# Altium PCB 3CHOE.PcbDoc (part 2 of 3)
Units mm, origin at the board's own origin, x right, y up, seen from the top; angles counter-clockwise.
Board outline 120.98 x 120.98 mm, 2 copper layers (Top Layer, Bottom Layer); 206 components, 141 nets, 709 pads, 2434 vias.
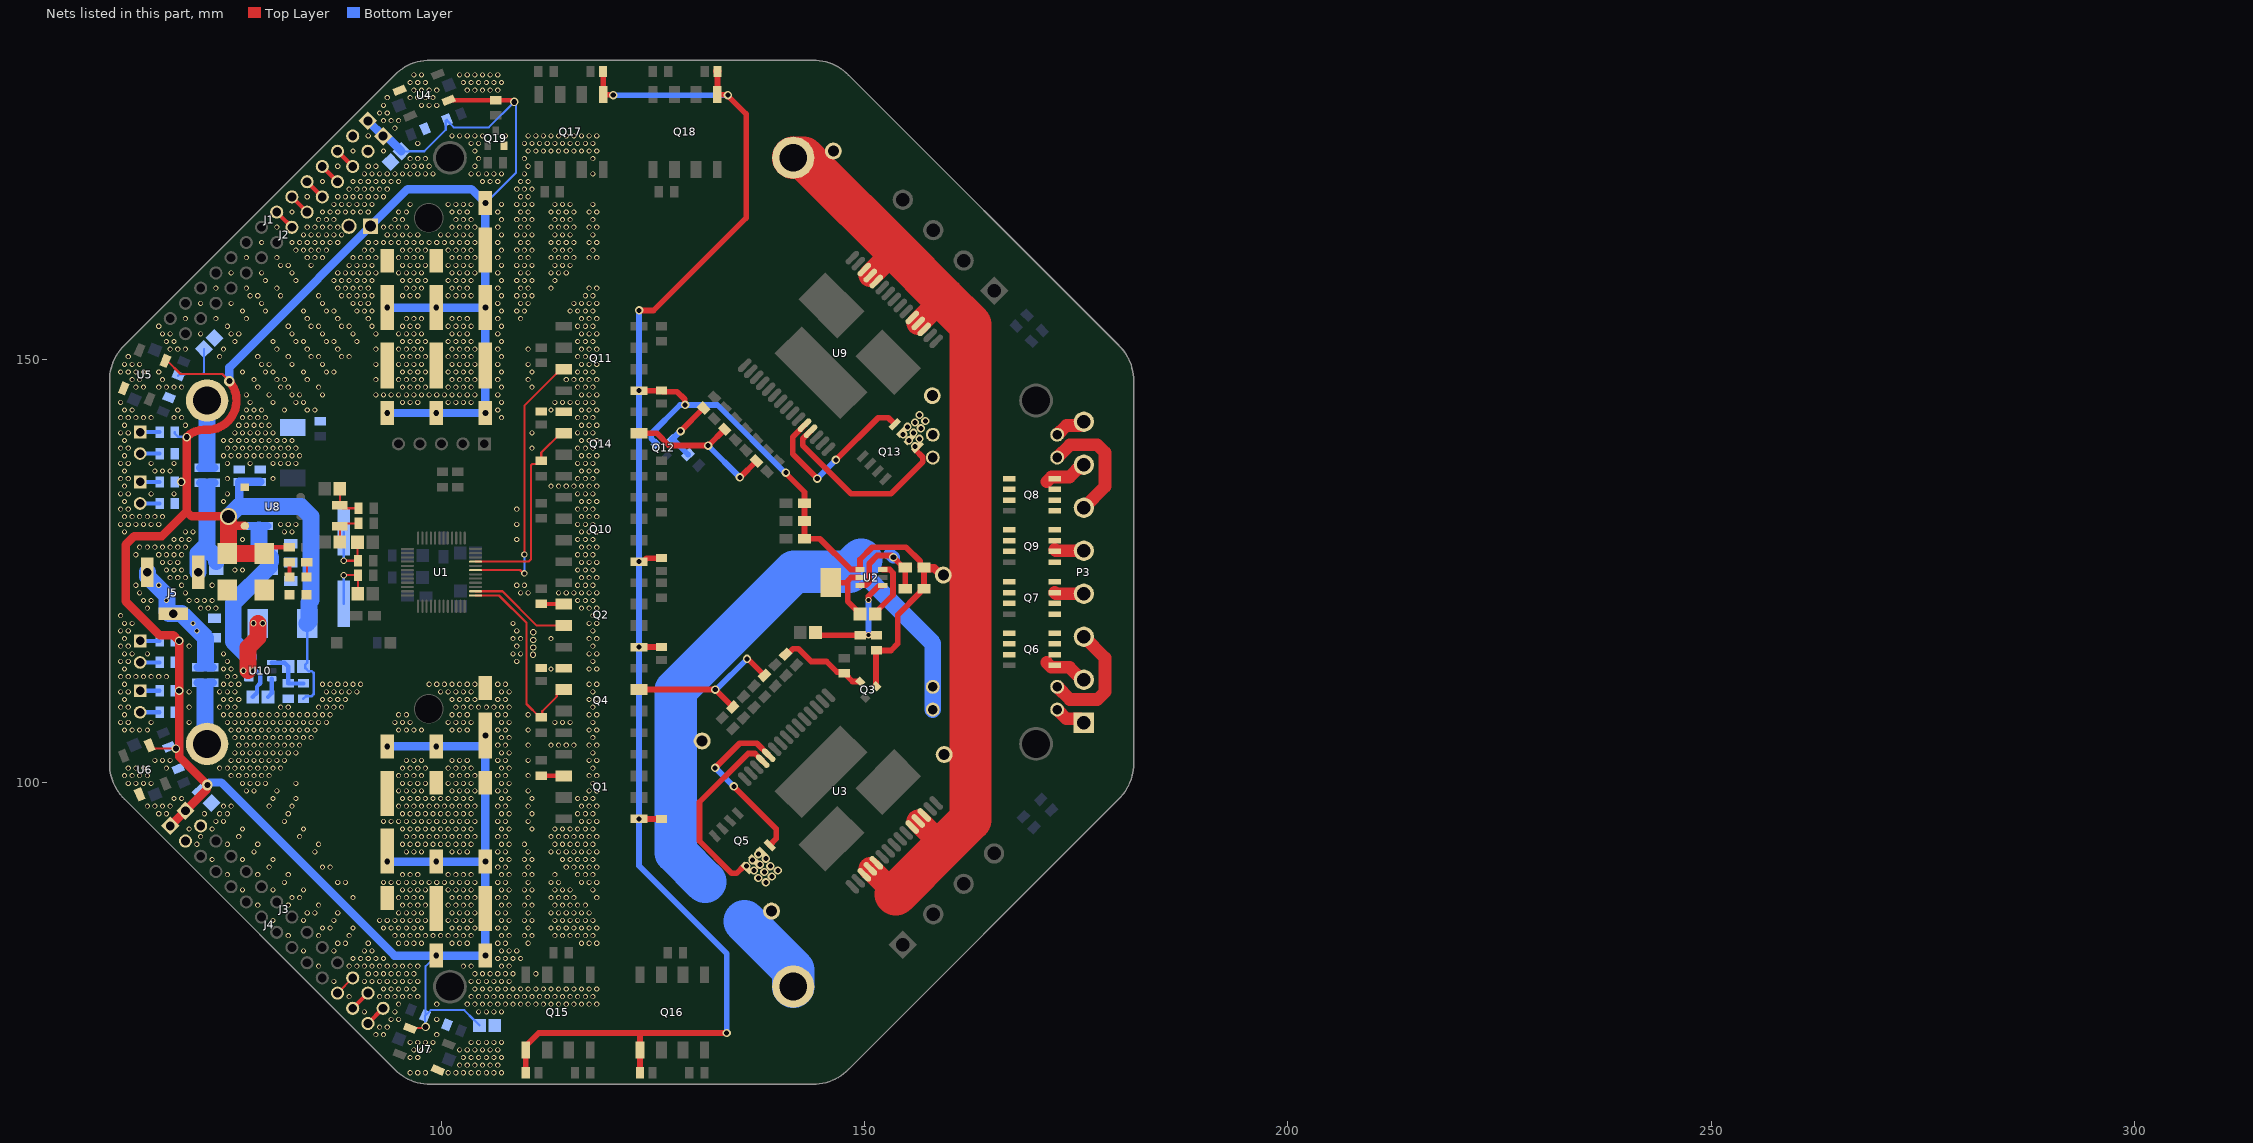
[diagram p2: the nets of this part, all layers, seen from the top]

## Via types
v1: diameter 0.6, hole 0.4, Top Layer to Bottom Layer, tented both sides, 2060 vias
v2: diameter 1, hole 0.6, Top Layer to Bottom Layer, tented both sides, 297 vias
v3: diameter 0.75, hole 0.5, Top Layer to Bottom Layer, tented both sides, 45 vias
v4: diameter 1, hole 0.68, Top Layer to Bottom Layer, tented both sides, 26 vias
v5: diameter 1.27, hole 0.711, Top Layer to Bottom Layer, tented both sides, 5 vias
v6: diameter 2, hole 1.5, Top Layer to Bottom Layer, tented both sides, 1 vias

## Nets (pads, with @x,y where several pads share a name; then routed paths per layer and width w, separated by ;. In a path a pad name is that pad's centre, name@x,y a point inside that pad or via, vN(x,y) a via of type N, cw(c..) or ccw(c..) an arc to the next point about the centre after c; other vN are vias at no path point) (continued)
CP: Q13.4 U9.11 | length 20.5
  Top Layer w0.68: U9.11@142.898,142.211 141.5,140.813 141.5,138.8 v2(144.4,135.9) ; v2(146.6,138.1) 151.6,143.1 152.779,143.1 Q13.4@153.546,142.333
  Bottom Layer w0.68: v2(144.4,135.9) v2(146.6,138.1)
CP-1: Q5.4 U3.11 | length 20.5
  Top Layer w0.68: v2(132.344,101.726) 135.244,104.626 137.257,104.626 U3.11@138.655,103.228 ; v2(134.544,99.526) 139.544,94.526 139.544,93.347 Q5.4@138.777,92.58
  Bottom Layer w0.68: v2(132.344,101.726) v2(134.544,99.526)
CW: Q12.3 R39.1 R45.2 | length 7.9
  Top Layer w0.68: v2(128.25,141.5) R45.2@130.977,144.227
  Bottom Layer w0.68: Q12.3@127.226,140.526 127.243,140.543 Q12.3@127.268,140.543 ; v2(128.25,141.5) 128.225,141.5 Q12.3@127.268,140.543 ; R39.1@129.136,138.736 127.33,140.543 Q12.3@127.268,140.543
CW-1: Q3.3 R7.1 R13.2 | length 10.6
  Top Layer w0.68: R13.2@140.671,115.149 140.897,115.149 141.549,115.8 142.2,115.8 143.7,114.3 145.5,114.3 146.74,113.06 147.44,113.06 R7.1@147.6,112.9 ; R7.1@147.7,112.8 148.574,111.926 149.268,111.926 149.328,111.986 149.414,111.986 Q3.3@149.474,111.926
D+5: C1.2 C12.2 C13.2 C14.2 C16.1 C17.1 C19.2 C20.2 C24.1 C26.1 C29.1 C34.1 C35.1 C40.1 C41.1 C42.1 C43.1 C44.1 C45.1 C46.1 C50.1 C51.1 C55.1 C56.1 C57.1 C59.1 C60.1 C61.1 C62.1 C63.1 D2.2 D3.2 J1.1 J2.1 J3.1 J4.1 J6.1 L2.2 R25.2 R27.2 R28.2 R29.2 R31.2 R32.2 R33.2 R50.2 R54.1 R69.2 R83.2 R84.2 R85.2 U4.1 U5.1 U6.1 U7.1 U8.3 | length 392.1
  Top Layer w0.254: U6.1@65.515,104.392 65.907,104.001 v4(68.631,104.001) v4@69,104.001 ; U5.1@67.39,149.817 67.622,149.817 69.179,148.26 74.093,148.26 v5@74.942,147.411 ; U7.1@96.309,70.946 96.334,70.972 97.991,70.972 v4(98.131,71.112)
  Top Layer w0.5: D3.2@79.057,127.042 79.815,127.8 R85.2@82.035,127.8 ; U4.1@100.836,180.611 R25.2@106.425,180.611 v4@108.254,180.611
  Top Layer w1: J4.1@67.965,94.869 72.294,99.199 72.294,99.652 v5(72.346,99.703) 69,103.049 69,104.001 v4(69,110.827) v4(69,116.722) 68.325,117.397 66.7,117.397 62.7,121.397 62.7,128.1 63.7,129.1 66.986,129.1 69.9,132.014 ; 69.9,135.449 69.9,132.014 ; 69.9,135.5 v4(69.9,140.8) cw(c71.976,138.724) 71.917,141.659 cw(c71.976,138.724) 71.976,141.66 ccw(c72.3,145.133) v5@74.942,147.411 ; v6(74.85,131.428) 70.486,131.428 69.9,132.014 ; 74.86,130.31 U8.3@76.78,130.31
  Top Layer w2: v6(74.85,131.428) 74.85,127.2 D2.2@74.7,127.05 74.704,127.046 79.053,127.046 D3.2@79.057,127.042
  Bottom Layer w0.254: R69.2@68.5,141.395 68.5,141.22 68.873,140.847 69.853,140.847 v4(69.9,140.8) ; R28.2@68.885,148.057 69.036,148.208 69.669,148.208 69.722,148.26 71.803,148.26 ; C12.2@71.929,151.227 71.947,151.209 71.947,148.403 71.803,148.26 ; v5(74.94,147.413) 74.094,148.26 71.803,148.26 ; C1.2@95.277,174.576 95.296,174.558 96.18,174.558 96.198,174.576 97.976,174.576 100.514,177.114 100.514,178.175 R27.2@100.648,178.309 100.648,178.215 101.463,177.4 105.6,177.4 v4(108.6,180.4) 108.8,180.2 108.8,172.05 v4(105.2,168.45) ; v4(98.131,71.112) 98.067,71.176 98.067,72.438 R50.2@98.069,72.441 R50.2@98.136,72.508 ; v4(99.4,79.55) 98.136,78.286 R50.2@98.136,72.508 ; C14.2@104.507,71.283 104.507,71.309 103.882,71.934 103.856,71.934 102.69,73.1 98.729,73.1 R50.2@98.136,72.508
  Bottom Layer w0.3: R54.1@83.7,109.9 83.977,110.177 84.634,110.177 84.9,110.443 84.9,112.942 84.705,113.137 84.304,113.137 83.922,113.519 83.922,113.92 84.142,114.14 L2.2@84.142,118.8
  Bottom Layer w1: v5(72.346,99.703) 72.346,99.746 72.593,99.993 74.007,99.993 94.45,79.55 v4(99.4,79.55) v4(105.2,79.55) v4(105.2,90.65) ; v5(74.94,147.413) 74.94,149.04 96,170.1 103.55,170.1 v4(105.2,168.45) v4(105.2,156.1) ; 76.022,132.6 76.1,132.678 C20.2@76.1,135.5 C19.2@78.6,135.5 ; J1.1@91.313,178.161 93.194,176.281 93.573,176.281 C1.2@95.277,174.576 ; v4(93.6,90.65) v4(99.4,90.65) v4(105.2,90.65) ; v4(93.6,104.25) v4(99.4,104.25) 105.2,104.25 ; v4(93.6,143.65) v4(99.4,143.65) v4(105.2,143.65) v4(105.2,156.1) ; v4(93.6,156.1) v4(99.4,156.1) v4(105.2,156.1) ; v4(105.2,105.55) 105.2,104.25 ; v4(105.2,90.65) 105.2,104.25
  Bottom Layer w2: v6(74.85,131.428) 76.022,132.6 83.428,132.6 84.6,131.428 84.6,121.543 84.349,121.291 84.349,119.007 L2.2@84.142,118.8
  other v4: 69.25,135.5
DIAG: Q14.6 R43.2 U1.33 | length 23.8
  Top Layer w0.254: U1.33@104.025,126.091 110.291,126.091 110.6,126.4 110.6,137.478 110.749,137.627 111.427,137.627 R43.2@111.8,138 111.8,138.985 114.085,141.27 Q14.6@114.45,141.27
DIAG-1: Q4.6 R11.2 U1.25 | length 23.9
  Top Layer w0.254: U1.25@104.025,122.091 106.809,122.091 110.05,118.85 110.05,109.265 111.625,107.69 R11.2@111.8,107.69 111.902,107.792 111.902,108.422 113.617,110.137 113.617,110.462 114.125,110.97 Q4.6@114.45,110.97
DIAG-M: Q14.3 R46.2 R48.2 | length 19.6
  Top Layer w0.68: Q14.3@123.35,141.27 125.43,141.27 126.9,139.8 v2(131.5,139.8) 131.55,139.8 R46.2@133.477,141.727 ; v2@135.3,136.05 R48.2@137.227,137.977
  Bottom Layer w0.68: v2(131.5,139.8) v2(135.25,136.05)
DIAG-M-1: Q4.3 R14.2 R16.2 | length 20.1
  Top Layer w0.68: Q4.3@123.35,110.97 v2(132.35,110.97) R16.2@134.421,108.899 ; v2(136.1,114.6) 136.22,114.6 R14.2@138.171,112.649
  Bottom Layer w0.68: v2(132.35,110.97) 132.47,110.97 v2(136.1,114.6)
DIR: Q11.3 U1.31 | length 32.2
  Top Layer w0.254: U1.31@104.025,125.091 109.275,125.091 109.666,124.7 v3(109.8,124.7) ; v3(109.8,126.924) 109.8,144.505 113.577,148.282 113.577,148.322 114.085,148.83 Q11.3@114.45,148.83
  Bottom Layer w0.254: v3(109.8,124.7) v3(109.8,126.924)
DIR-1: Q2.3 U1.26 | length 12.1
  Top Layer w0.254: U1.26@104.025,122.591 107.209,122.591 111.27,118.53 Q2.3@114.45,118.53
GND-D: C1.1 C11.2 C12.1 C13.1 C14.1 C16.2 C17.2 C18.1 C19.1 C20.1 C23.2 C24.2 C27.2 C28.2 C29.2 C34.2 C35.2 C40.2 C41.2 C42.2 C43.2 C44.2 C45.2 C46.2 C50.2 C51.2 C55.2 C56.2 C57.2 C59.2 C60.2 C61.2 C62.2 C63.2 D2.1 D3.1 J1.2 J2.2 J3.2 J4.2 J5.2 J5.C J6.2 LED1.1 LED2.1 Q4.5 Q14.5 Q19.2 R34.1 R35.1 R36.1 R55.2 R56.1 R57.1 R58.1 R59.1 R70.1 R72.1 R73.1 R79.2 U4.3 U5.3 U6.3 U7.3 U8.1 U10.1 | length 16.2
  Bottom Layer w1: R72.1@71.2,113.6 72.825,113.6 R73.1@73,113.6
  Bottom Layer w2: J5.C@65.259,124.841 65.259,124.341 67.559,122.041 67.559,120.191 67.809,119.941 J5.2@68.309,119.941 69.309,119.941 69.559,119.691 72.15,117.1 72.15,114.2
  other v1: 96.3,65.7 97.2,65.7 98.1,65.7 100.8,65.7 101.7,65.7 102.6,65.7 103.5,65.7 104.4,65.7 105.3,65.7 106.2,65.7 107.1,65.7 102.15,66.6 103.05,66.6 103.95,66.6 104.85,66.6 105.75,66.6 106.65,66.6 96.3,67.5 97.2,67.5 102.6,67.5 103.5,67.5 104.4,67.5 105.3,67.5 106.2,67.5 107.1,67.5 96.75,68.4 97.65,68.4 98.55,68.4 102.15,68.4 103.05,68.4 103.95,68.4 104.85,68.4 105.75,68.4 106.65,68.4 96.3,69.3 97.2,69.3 98.1,69.3 99,69.3 103.5,69.3 104.4,69.3 105.3,69.3 106.2,69.3 107.1,69.3 92.25,70.2 93.15,70.2 99.45,70.2 92.7,71.1 93.6,71.1 94.05,72 94.95,72 99.45,72 90.9,72.9 94.5,72.9 104.4,72.9 105.3,72.9 106.2,72.9 107.1,72.9 94.95,73.8 99.45,73.8 103.05,73.8 103.95,73.8 104.85,73.8 105.75,73.8 106.65,73.8 107.55,73.8 108.45,73.8 109.35,73.8 110.25,73.8 111.15,73.8 112.05,73.8 112.95,73.8 113.85,73.8 114.75,73.8 115.65,73.8 116.55,73.8 117.45,73.8 118.35,73.8 89.1,74.7 92.7,74.7 93.6,74.7 94.5,74.7 95.4,74.7 96.3,74.7 97.2,74.7 103.5,74.7 104.4,74.7 105.3,74.7 106.2,74.7 107.1,74.7 108,74.7 108.9,74.7 109.8,74.7 110.7,74.7 111.6,74.7 112.5,74.7 113.4,74.7 114.3,74.7 115.2,74.7 116.1,74.7 117,74.7 117.9,74.7 93.15,75.6 94.05,75.6 94.95,75.6 95.85,75.6 96.75,75.6 103.95,75.6 104.85,75.6 105.75,75.6 106.65,75.6 107.55,75.6 108.45,75.6 109.35,75.6 110.25,75.6 111.15,75.6 112.05,75.6 112.95,75.6 113.85,75.6 114.75,75.6 115.65,75.6 116.55,75.6 117.45,75.6 118.35,75.6 87.3,76.5 90.9,76.5 91.8,76.5 92.7,76.5 93.6,76.5 94.5,76.5 95.4,76.5 96.3,76.5 97.2,76.5 103.5,76.5 104.4,76.5 105.3,76.5 106.2,76.5 107.1,76.5 108,76.5 91.35,77.4 92.25,77.4 93.15,77.4 94.05,77.4 94.95,77.4 95.85,77.4 96.75,77.4 103.95,77.4 104.85,77.4 105.75,77.4 106.65,77.4 107.55,77.4 108.45,77.4 111.15,77.4 85.5,78.3 89.1,78.3 90,78.3 90.9,78.3 91.8,78.3 92.7,78.3 93.6,78.3 94.5,78.3 95.4,78.3 96.3,78.3 97.2,78.3 102.6,78.3 103.5,78.3 107.1,78.3 108,78.3 89.55,79.2 90.45,79.2 91.35,79.2 92.25,79.2 93.15,79.2 106.65,79.2 107.55,79.2 108.45,79.2 109.35,79.2 83.7,80.1 87.3,80.1 90.9,80.1 91.8,80.1 107.1,80.1 108,80.1 108.9,80.1 87.75,81 88.65,81 91.35,81 94.95,81 95.85,81 96.75,81 97.65,81 101.25,81 102.15,81 103.05,81 106.65,81 107.55,81 110.25,81 116.55,81 117.45,81 118.35,81 81.9,81.9 85.5,81.9 89.1,81.9 94.5,81.9 95.4,81.9 96.3,81.9 97.2,81.9 98.1,81.9 99,81.9 99.9,81.9 100.8,81.9 101.7,81.9 102.6,81.9 103.5,81.9 107.1,81.9 108,81.9 109.8,81.9 110.7,81.9 113.4,81.9 114.3,81.9 115.2,81.9 116.1,81.9 117,81.9 117.9,81.9 85.95,82.8 86.85,82.8 89.55,82.8 93.15,82.8 94.05,82.8 94.95,82.8 95.85,82.8 96.75,82.8 97.65,82.8 101.25,82.8 102.15,82.8 103.05,82.8 103.95,82.8 106.65,82.8 107.55,82.8 110.25,82.8 112.95,82.8 113.85,82.8 114.75,82.8 115.65,82.8 116.55,82.8 117.45,82.8 118.35,82.8 80.1,83.7 83.7,83.7 87.3,83.7 92.7,83.7 93.6,83.7 94.5,83.7 95.4,83.7 96.3,83.7 97.2,83.7 98.1,83.7 100.8,83.7 101.7,83.7 102.6,83.7 103.5,83.7 107.1,83.7 108,83.7 109.8,83.7 110.7,83.7 113.4,83.7 114.3,83.7 115.2,83.7 116.1,83.7 117,83.7 117.9,83.7 84.15,84.6 85.05,84.6 87.75,84.6 94.95,84.6 95.85,84.6 96.75,84.6 97.65,84.6 101.25,84.6 102.15,84.6 103.05,84.6 103.95,84.6 106.65,84.6 107.55,84.6 110.25,84.6 112.95,84.6 113.85,84.6 114.75,84.6 115.65,84.6 116.55,84.6 117.45,84.6 78.3,85.5 81.9,85.5 85.5,85.5 95.4,85.5 96.3,85.5 97.2,85.5 98.1,85.5 100.8,85.5 101.7,85.5 102.6,85.5 103.5,85.5 107.1,85.5 108,85.5 109.8,85.5 110.7,85.5 113.4,85.5 114.3,85.5 115.2,85.5 116.1,85.5 117,85.5 82.35,86.4 83.25,86.4 89.55,86.4 94.95,86.4 95.85,86.4 96.75,86.4 97.65,86.4 101.25,86.4 102.15,86.4 103.05,86.4 103.95,86.4 106.65,86.4 107.55,86.4 110.25,86.4 112.95,86.4 113.85,86.4 114.75,86.4 115.65,86.4 118.35,86.4 76.5,87.3 80.1,87.3 83.7,87.3 95.4,87.3 96.3,87.3 97.2,87.3 98.1,87.3 100.8,87.3 101.7,87.3 102.6,87.3 103.5,87.3 107.1,87.3 108,87.3 109.8,87.3 110.7,87.3 113.4,87.3 114.3,87.3 115.2,87.3 117.9,87.3 81.45,88.2 87.75,88.2 88.65,88.2 93.15,88.2 94.05,88.2 94.95,88.2 95.85,88.2 96.75,88.2 97.65,88.2 98.55,88.2 99.45,88.2 100.35,88.2 101.25,88.2 102.15,88.2 103.05,88.2 103.95,88.2 106.65,88.2 107.55,88.2 110.25,88.2 112.95,88.2 113.85,88.2 116.55,88.2 117.45,88.2 118.35,88.2 74.7,89.1 78.3,89.1 81.9,89.1 95.4,89.1 96.3,89.1 97.2,89.1 100.8,89.1 101.7,89.1 102.6,89.1 103.5,89.1 107.1,89.1 108,89.1 109.8,89.1 110.7,89.1 113.4,89.1 116.1,89.1 117,89.1 117.9,89.1 79.65,90 85.95,90 86.85,90 106.65,90 107.55,90 110.25,90 114.75,90 115.65,90 116.55,90 117.45,90 118.35,90 72.9,90.9 76.5,90.9 80.1,90.9 107.1,90.9 108,90.9 109.8,90.9 110.7,90.9 114.3,90.9 115.2,90.9 116.1,90.9 117,90.9 117.9,90.9 77.85,91.8 85.05,91.8 95.85,91.8 96.75,91.8 97.65,91.8 101.25,91.8 102.15,91.8 103.05,91.8 106.65,91.8 107.55,91.8 110.25,91.8 112.95,91.8 113.85,91.8 114.75,91.8 115.65,91.8 116.55,91.8 117.45,91.8 118.35,91.8 71.1,92.7 74.7,92.7 78.3,92.7 85.5,92.7 95.4,92.7 96.3,92.7 97.2,92.7 98.1,92.7 99,92.7 99.9,92.7 100.8,92.7 101.7,92.7 102.6,92.7 103.5,92.7 107.1,92.7 108,92.7 109.8,92.7 113.4,92.7 114.3,92.7 115.2,92.7 116.1,92.7 117,92.7 117.9,92.7 71.55,93.6 76.05,93.6 83.25,93.6 95.85,93.6 96.75,93.6 97.65,93.6 98.55,93.6 99.45,93.6 100.35,93.6 101.25,93.6 102.15,93.6 103.05,93.6 103.95,93.6 106.65,93.6 107.55,93.6 112.95,93.6 113.85,93.6 114.75,93.6 115.65,93.6 116.55,93.6 117.45,93.6 118.35,93.6 70.2,94.5 72.9,94.5 76.5,94.5 83.7,94.5 95.4,94.5 96.3,94.5 97.2,94.5 98.1,94.5 99,94.5 99.9,94.5 100.8,94.5 101.7,94.5 102.6,94.5 103.5,94.5 107.1,94.5 108,94.5 110.7,94.5 113.4,94.5 114.3,94.5 115.2,94.5 116.1,94.5 117,94.5 117.9,94.5 73.35,95.4 74.25,95.4 81.45,95.4 93.15,95.4 94.05,95.4 94.95,95.4 95.85,95.4 96.75,95.4 97.65,95.4 98.55,95.4 99.45,95.4 100.35,95.4 101.25,95.4 102.15,95.4 103.05,95.4 103.95,95.4 106.65,95.4 107.55,95.4 110.25,95.4 116.55,95.4 117.45,95.4 118.35,95.4 66.6,96.3 67.5,96.3 72,96.3 73.8,96.3 74.7,96.3 81.9,96.3 95.4,96.3 96.3,96.3 97.2,96.3 98.1,96.3 99,96.3 99.9,96.3 100.8,96.3 101.7,96.3 102.6,96.3 103.5,96.3 107.1,96.3 108,96.3 110.7,96.3 116.1,96.3 117,96.3 117.9,96.3 65.25,97.2 66.15,97.2 67.05,97.2 67.95,97.2 74.25,97.2 75.15,97.2 79.65,97.2 82.35,97.2 94.95,97.2 95.85,97.2 96.75,97.2 97.65,97.2 98.55,97.2 99.45,97.2 100.35,97.2 101.25,97.2 102.15,97.2 103.05,97.2 103.95,97.2 106.65,97.2 107.55,97.2 110.25,97.2 116.55,97.2 117.45,97.2 118.35,97.2 68.4,98.1 69.3,98.1 80.1,98.1 82.8,98.1 95.4,98.1 96.3,98.1 97.2,98.1 98.1,98.1 99,98.1 99.9,98.1 100.8,98.1 101.7,98.1 102.6,98.1 103.5,98.1 107.1,98.1 108,98.1 110.7,98.1 116.1,98.1 117,98.1 117.9,98.1 76.95,99 77.85,99 80.55,99 94.95,99 95.85,99 96.75,99 97.65,99 101.25,99 102.15,99 103.05,99 103.95,99 106.65,99 107.55,99 110.25,99 117.45,99 118.35,99 63,99.9 63.9,99.9 64.8,99.9 65.7,99.9 76.5,99.9 77.4,99.9 78.3,99.9 79.2,99.9 82.8,99.9 95.4,99.9 96.3,99.9 97.2,99.9 98.1,99.9 100.8,99.9 101.7,99.9 102.6,99.9 103.5,99.9 107.1,99.9 108,99.9 117.9,99.9 62.55,100.8 63.45,100.8 64.35,100.8 65.25,100.8 75.15,100.8 76.05,100.8 76.95,100.8 77.85,100.8 78.75,100.8 79.65,100.8 94.95,100.8 95.85,100.8 96.75,100.8 97.65,100.8 101.25,100.8 102.15,100.8 103.05,100.8 103.95,100.8 106.65,100.8 107.55,100.8 110.25,100.8 117.45,100.8 118.35,100.8 63,101.7 63.9,101.7 64.8,101.7 67.5,101.7 73.8,101.7 74.7,101.7 75.6,101.7 76.5,101.7 77.4,101.7 78.3,101.7 79.2,101.7 80.1,101.7 81,101.7 95.4,101.7 96.3,101.7 97.2,101.7 98.1,101.7 100.8,101.7 101.7,101.7 102.6,101.7 103.5,101.7 107.1,101.7 108,101.7 117.9,101.7 66.15,102.6 67.05,102.6 67.95,102.6 75.15,102.6 76.05,102.6 76.95,102.6 77.85,102.6 78.75,102.6 79.65,102.6 80.55,102.6 81.45,102.6 95.85,102.6 96.75,102.6 97.65,102.6 101.25,102.6 102.15,102.6 103.05,102.6 106.65,102.6 107.55,102.6 110.25,102.6 117.45,102.6 118.35,102.6 75.6,103.5 76.5,103.5 77.4,103.5 78.3,103.5 79.2,103.5 80.1,103.5 81,103.5 81.9,103.5 82.8,103.5 107.1,103.5 108,103.5 117.9,103.5 76.05,104.4 76.95,104.4 77.85,104.4 78.75,104.4 79.65,104.4 80.55,104.4 81.45,104.4 82.35,104.4 83.25,104.4 106.65,104.4 107.55,104.4 110.25,104.4 112.95,104.4 113.85,104.4 114.75,104.4 115.65,104.4 117.45,104.4 118.35,104.4 75.6,105.3 76.5,105.3 77.4,105.3 78.3,105.3 79.2,105.3 80.1,105.3 81,105.3 81.9,105.3 82.8,105.3 83.7,105.3 84.6,105.3 107.1,105.3 108,105.3 117.9,105.3 62.55,106.2 63.45,106.2 64.35,106.2 65.25,106.2 75.15,106.2 76.05,106.2 76.95,106.2 77.85,106.2 78.75,106.2 79.65,106.2 80.55,106.2 81.45,106.2 82.35,106.2 83.25,106.2 84.15,106.2 85.05,106.2 94.95,106.2 95.85,106.2 96.75,106.2 97.65,106.2 101.25,106.2 102.15,106.2 103.05,106.2 106.65,106.2 107.55,106.2 110.25,106.2 117.45,106.2 118.35,106.2 62.1,107.1 63,107.1 65.7,107.1 70.2,107.1 74.7,107.1 75.6,107.1 76.5,107.1 77.4,107.1 78.3,107.1 79.2,107.1 80.1,107.1 81,107.1 81.9,107.1 82.8,107.1 83.7,107.1 84.6,107.1 85.5,107.1 86.4,107.1 94.5,107.1 95.4,107.1 96.3,107.1 100.8,107.1 101.7,107.1 102.6,107.1 103.5,107.1 107.1,107.1 108,107.1 113.4,107.1 114.3,107.1 115.2,107.1 117.9,107.1 62.55,108 74.25,108 75.15,108 76.05,108 76.95,108 77.85,108 78.75,108 79.65,108 80.55,108 81.45,108 82.35,108 83.25,108 84.15,108 85.05,108 85.95,108 86.85,108 94.95,108 95.85,108 101.25,108 102.15,108 103.05,108 106.65,108 107.55,108 110.25,108 117.45,108 118.35,108 62.1,108.9 63,108.9 70.2,108.9 73.8,108.9 74.7,108.9 75.6,108.9 81,108.9 81.9,108.9 85.5,108.9 86.4,108.9 87.3,108.9 88.2,108.9 101.7,108.9 102.6,108.9 103.5,108.9 104.4,108.9 105.3,108.9 106.2,108.9 107.1,108.9 108,108.9 117.9,108.9 62.55,109.8 74.25,109.8 75.15,109.8 76.05,109.8 85.95,109.8 86.85,109.8 87.75,109.8 88.65,109.8 101.25,109.8 102.15,109.8 103.05,109.8 103.95,109.8 106.65,109.8 107.55,109.8 117.45,109.8 118.35,109.8 62.1,110.7 63,110.7 70.2,110.7 73.8,110.7 74.7,110.7 75.6,110.7 86.4,110.7 87.3,110.7 88.2,110.7 89.1,110.7 90,110.7 99.9,110.7 100.8,110.7 101.7,110.7 102.6,110.7 103.5,110.7 107.1,110.7 108,110.7 117.9,110.7 62.55,111.6 74.25,111.6 75.15,111.6 76.05,111.6 85.95,111.6 86.85,111.6 87.75,111.6 88.65,111.6 89.55,111.6 90.45,111.6 98.55,111.6 99.45,111.6 100.35,111.6 101.25,111.6 102.15,111.6 103.05,111.6 103.95,111.6 106.65,111.6 107.55,111.6 117.45,111.6 118.35,111.6 62.1,112.5 63,112.5 63.9,112.5 64.8,112.5 65.7,112.5 66.6,112.5 67.5,112.5 74.7,112.5 75.6,112.5 62.55,113.4 74.25,113.4 75.15,113.4 112.95,113.4 117.45,113.4 118.35,113.4 62.1,114.3 63,114.3 74.7,114.3 108.9,114.3 117.9,114.3 62.55,115.2 63.45,115.2 65.25,115.2 74.25,115.2 108.45,115.2 109.35,115.2 117.45,115.2 118.35,115.2 62.1,116.1 63,116.1 70.2,116.1 108.9,116.1 117.9,116.1 62.55,117 108.45,117 109.35,117 112.95,117 117.45,117 118.35,117 62.1,117.9 63,117.9 71.1,117.9 108.9,117.9 117.9,117.9 62.55,118.8 63.45,118.8 70.65,118.8 108.45,118.8 117.45,118.8 118.35,118.8 62.1,119.7 117.9,119.7 65.25,120.6 71.55,120.6 72.45,120.6 73.35,120.6 116.55,120.6 117.45,120.6 118.35,120.6 64.8,121.5 65.7,121.5 67.5,121.5 70.2,121.5 71.1,121.5 72,121.5 72.9,121.5 116.1,121.5 117,121.5 117.9,121.5 64.35,122.4 69.75,122.4 109.35,122.4 110.25,122.4 113.85,122.4 114.75,122.4 115.65,122.4 116.55,122.4 117.45,122.4 118.35,122.4 63.9,123.3 66.6,123.3 69.3,123.3 72.9,123.3 108.9,123.3 109.8,123.3 116.1,123.3 117,123.3 117.9,123.3 67.95,124.2 68.85,124.2 69.75,124.2 116.55,124.2 117.45,124.2 118.35,124.2 67.5,125.1 68.4,125.1 69.3,125.1 75.6,125.1 76.5,125.1 116.1,125.1 117,125.1 117.9,125.1 67.05,126 67.95,126 68.85,126 116.55,126 117.45,126 118.35,126 63.9,126.9 66.6,126.9 67.5,126.9 68.4,126.9 69.3,126.9 116.1,126.9 117,126.9 117.9,126.9 64.35,127.8 65.25,127.8 66.15,127.8 67.05,127.8 67.95,127.8 68.85,127.8 69.75,127.8 116.55,127.8 117.45,127.8 118.35,127.8 68.4,128.7 69.3,128.7 70.2,128.7 76.5,128.7 108.9,128.7 116.1,128.7 117,128.7 117.9,128.7 62.55,129.6 69.75,129.6 70.65,129.6 81.45,129.6 82.35,129.6 116.55,129.6 117.45,129.6 118.35,129.6 62.1,130.5 63,130.5 63.9,130.5 64.8,130.5 65.7,130.5 66.6,130.5 81,130.5 81.9,130.5 82.8,130.5 108.9,130.5 116.1,130.5 117,130.5 117.9,130.5 62.55,131.4 63.45,131.4 64.35,131.4 65.25,131.4 66.15,131.4 67.05,131.4 116.55,131.4 117.45,131.4 118.35,131.4 62.1,132.3 63,132.3 108.9,132.3 116.1,132.3 117,132.3 117.9,132.3 62.55,133.2 74.25,133.2 116.55,133.2 117.45,133.2 118.35,133.2 62.1,134.1 63,134.1 65.7,134.1 68.4,134.1 74.7,134.1 116.1,134.1 117,134.1 117.9,134.1 62.55,135 112.95,135 113.85,135 114.75,135 115.65,135 116.55,135 117.45,135 118.35,135 62.1,135.9 63,135.9 74.7,135.9 80.1,135.9 116.1,135.9 117,135.9 117.9,135.9 62.55,136.8 66.15,136.8 67.05,136.8 67.95,136.8 116.55,136.8 117.45,136.8 118.35,136.8 62.1,137.7 63,137.7 65.7,137.7 68.4,137.7 74.7,137.7 77.4,137.7 80.1,137.7 81,137.7 81.9,137.7 82.8,137.7 116.1,137.7 117,137.7 117.9,137.7 62.55,138.6 74.25,138.6 75.15,138.6 76.05,138.6 76.95,138.6 77.85,138.6 78.75,138.6 79.65,138.6 80.55,138.6 81.45,138.6 82.35,138.6 83.25,138.6 116.55,138.6 117.45,138.6 118.35,138.6 62.1,139.5 63,139.5 74.7,139.5 75.6,139.5 76.5,139.5 77.4,139.5 78.3,139.5 79.2,139.5 80.1,139.5 81,139.5 81.9,139.5 82.8,139.5 110.7,139.5 116.1,139.5 117,139.5 117.9,139.5 62.55,140.4 74.25,140.4 75.15,140.4 76.05,140.4 76.95,140.4 77.85,140.4 78.75,140.4 79.65,140.4 80.55,140.4 81.45,140.4 82.35,140.4 116.55,140.4 117.45,140.4 118.35,140.4 62.1,141.3 63,141.3 75.6,141.3 76.5,141.3 77.4,141.3 78.3,141.3 79.2,141.3 80.1,141.3 110.7,141.3 116.1,141.3 117,141.3 117.9,141.3 62.55,142.2 69.75,142.2 76.05,142.2 76.95,142.2 77.85,142.2 78.75,142.2 79.65,142.2 116.55,142.2 117.45,142.2 118.35,142.2 62.1,143.1 63,143.1 63.9,143.1 64.8,143.1 65.7,143.1 68.4,143.1 69.3,143.1 76.5,143.1 77.4,143.1 78.3,143.1 79.2,143.1 107.1,143.1 116.1,143.1 117,143.1 117.9,143.1 62.55,144 63.45,144 68.85,144 76.95,144 77.85,144 78.75,144 81.45,144 84.15,144 85.05,144 106.65,144 112.95,144 116.55,144 117.45,144 118.35,144 62.1,144.9 77.4,144.9 80.1,144.9 82.8,144.9 83.7,144.9 95.4,144.9 96.3,144.9 97.2,144.9 100.8,144.9 101.7,144.9 102.6,144.9 103.5,144.9 107.1,144.9 113.4,144.9 114.3,144.9 115.2,144.9 116.1,144.9 117,144.9 117.9,144.9 76.95,145.8 79.65,145.8 82.35,145.8 83.25,145.8 85.95,145.8 92.25,145.8 93.15,145.8 94.05,145.8 94.95,145.8 95.85,145.8 96.75,145.8 97.65,145.8 98.55,145.8 99.45,145.8 100.35,145.8 101.25,145.8 102.15,145.8 103.05,145.8 103.95,145.8 106.65,145.8 116.55,145.8 117.45,145.8 118.35,145.8 63.9,146.7 64.8,146.7 66.6,146.7 67.5,146.7 68.4,146.7 69.3,146.7 78.3,146.7 81,146.7 81.9,146.7 85.5,146.7 95.4,146.7 96.3,146.7 97.2,146.7 98.1,146.7 100.8,146.7 101.7,146.7 102.6,146.7 103.5,146.7 107.1,146.7 110.7,146.7 116.1,146.7 117,146.7 117.9,146.7 63.45,147.6 64.35,147.6 67.05,147.6 77.85,147.6 80.55,147.6 81.45,147.6 84.15,147.6 92.25,147.6 94.95,147.6 95.85,147.6 96.75,147.6 97.65,147.6 101.25,147.6 102.15,147.6 103.05,147.6 103.95,147.6 106.65,147.6 110.25,147.6 114.75,147.6 115.65,147.6 116.55,147.6 117.45,147.6 118.35,147.6 62.1,148.5 63,148.5 63.9,148.5 64.8,148.5 66.6,148.5 76.5,148.5 79.2,148.5 80.1,148.5 83.7,148.5 86.4,148.5 87.3,148.5 95.4,148.5 96.3,148.5 97.2,148.5 98.1,148.5 100.8,148.5 101.7,148.5 102.6,148.5 103.5,148.5 107.1,148.5 110.7,148.5 116.1,148.5 117,148.5 117.9,148.5 62.55,149.4 63.45,149.4 64.35,149.4 78.75,149.4 79.65,149.4 82.35,149.4 85.95,149.4 92.25,149.4 94.95,149.4 95.85,149.4 96.75,149.4 97.65,149.4 101.25,149.4 102.15,149.4 103.05,149.4 103.95,149.4 106.65,149.4 110.25,149.4 116.55,149.4 117.45,149.4 118.35,149.4 63,150.3 73.8,150.3 78.3,150.3 81.9,150.3 84.6,150.3 85.5,150.3 88.2,150.3 89.1,150.3 95.4,150.3 96.3,150.3 97.2,150.3 98.1,150.3 100.8,150.3 101.7,150.3 102.6,150.3 103.5,150.3 107.1,150.3 116.1,150.3 117,150.3 117.9,150.3 67.95,151.2 68.85,151.2 69.75,151.2 74.25,151.2 80.55,151.2 84.15,151.2 87.75,151.2 92.25,151.2 94.95,151.2 95.85,151.2 96.75,151.2 97.65,151.2 101.25,151.2 102.15,151.2 103.05,151.2 103.95,151.2 106.65,151.2 110.25,151.2 116.55,151.2 117.45,151.2 118.35,151.2 67.5,152.1 68.4,152.1 75.6,152.1 80.1,152.1 82.8,152.1 83.7,152.1 86.4,152.1 87.3,152.1 90,152.1 95.4,152.1 96.3,152.1 97.2,152.1 98.1,152.1 100.8,152.1 101.7,152.1 102.6,152.1 103.5,152.1 107.1,152.1 116.1,152.1 117,152.1 117.9,152.1 67.05,153 67.95,153 71.55,153 75.15,153 76.05,153 82.35,153 85.95,153 89.55,153 92.25,153 94.95,153 95.85,153 96.75,153 97.65,153 101.25,153 102.15,153 103.05,153 106.65,153 116.55,153 117.45,153 118.35,153 66.6,153.9 74.7,153.9 81.9,153.9 84.6,153.9 85.5,153.9 88.2,153.9 89.1,153.9 91.8,153.9 95.4,153.9 96.3,153.9 97.2,153.9 100.8,153.9 101.7,153.9 102.6,153.9 103.5,153.9 107.1,153.9 116.1,153.9 117,153.9 117.9,153.9 69.75,154.8 73.35,154.8 76.95,154.8 84.15,154.8 87.75,154.8 91.35,154.8 95.85,154.8 96.75,154.8 97.65,154.8 101.25,154.8 102.15,154.8 103.05,154.8 106.65,154.8 109.35,154.8 116.55,154.8 117.45,154.8 118.35,154.8 76.5,155.7 79.2,155.7 83.7,155.7 86.4,155.7 87.3,155.7 90,155.7 90.9,155.7 91.8,155.7 107.1,155.7 108.9,155.7 109.8,155.7 115.2,155.7 116.1,155.7 117,155.7 117.9,155.7 71.55,156.6 75.15,156.6 78.75,156.6 85.95,156.6 89.55,156.6 90.45,156.6 91.35,156.6 106.65,156.6 109.35,156.6 110.25,156.6 115.65,156.6 116.55,156.6 117.45,156.6 118.35,156.6 77.4,157.5 78.3,157.5 81,157.5 85.5,157.5 88.2,157.5 89.1,157.5 90,157.5 90.9,157.5 91.8,157.5 95.4,157.5 96.3,157.5 97.2,157.5 100.8,157.5 101.7,157.5 102.6,157.5 103.5,157.5 107.1,157.5 108.9,157.5 109.8,157.5 110.7,157.5 117,157.5 117.9,157.5 73.35,158.4 76.95,158.4 80.55,158.4 87.75,158.4 88.65,158.4 89.55,158.4 90.45,158.4 91.35,158.4 95.85,158.4 96.75,158.4 97.65,158.4 101.25,158.4 102.15,158.4 103.05,158.4 106.65,158.4 109.35,158.4 110.25,158.4 112.95,158.4 117.45,158.4 118.35,158.4 79.2,159.3 82.8,159.3 87.3,159.3 88.2,159.3 89.1,159.3 90,159.3 90.9,159.3 91.8,159.3 95.4,159.3 96.3,159.3 97.2,159.3 98.1,159.3 100.8,159.3 101.7,159.3 102.6,159.3 103.5,159.3 107.1,159.3 108.9,159.3 109.8,159.3 110.7,159.3 113.4,159.3 75.15,160.2 78.75,160.2 82.35,160.2 87.75,160.2 88.65,160.2 89.55,160.2 90.45,160.2 91.35,160.2 92.25,160.2 94.95,160.2 95.85,160.2 96.75,160.2 97.65,160.2 101.25,160.2 102.15,160.2 103.05,160.2 103.95,160.2 106.65,160.2 109.35,160.2 110.25,160.2 112.95,160.2 113.85,160.2 114.75,160.2 81,161.1 81.9,161.1 84.6,161.1 89.1,161.1 90,161.1 90.9,161.1 91.8,161.1 95.4,161.1 96.3,161.1 97.2,161.1 98.1,161.1 100.8,161.1 101.7,161.1 102.6,161.1 103.5,161.1 107.1,161.1 108.9,161.1 109.8,161.1 110.7,161.1 113.4,161.1 114.3,161.1 115.2,161.1 76.95,162 80.55,162 84.15,162 85.05,162 85.95,162 89.55,162 90.45,162 91.35,162 92.25,162 94.95,162 95.85,162 96.75,162 97.65,162 101.25,162 102.15,162 103.05,162 103.95,162 106.65,162 109.35,162 110.25,162 112.95,162 113.85,162 114.75,162 115.65,162 117.45,162 118.35,162 82.8,162.9 83.7,162.9 84.6,162.9 85.5,162.9 86.4,162.9 90.9,162.9 91.8,162.9 95.4,162.9 96.3,162.9 97.2,162.9 98.1,162.9 100.8,162.9 101.7,162.9 102.6,162.9 103.5,162.9 107.1,162.9 108.9,162.9 109.8,162.9 110.7,162.9 113.4,162.9 114.3,162.9 115.2,162.9 117.9,162.9 78.75,163.8 82.35,163.8 83.25,163.8 84.15,163.8 85.05,163.8 85.95,163.8 86.85,163.8 87.75,163.8 91.35,163.8 92.25,163.8 93.15,163.8 94.05,163.8 94.95,163.8 95.85,163.8 96.75,163.8 97.65,163.8 98.55,163.8 99.45,163.8 100.35,163.8 101.25,163.8 102.15,163.8 103.05,163.8 103.95,163.8 106.65,163.8 109.35,163.8 110.25,163.8 112.95,163.8 113.85,163.8 114.75,163.8 115.65,163.8 117.45,163.8 118.35,163.8 83.7,164.7 84.6,164.7 85.5,164.7 86.4,164.7 87.3,164.7 88.2,164.7 93.6,164.7 94.5,164.7 95.4,164.7 96.3,164.7 97.2,164.7 99.9,164.7 100.8,164.7 101.7,164.7 102.6,164.7 103.5,164.7 107.1,164.7 108.9,164.7 109.8,164.7 110.7,164.7 113.4,164.7 114.3,164.7 115.2,164.7 117.9,164.7 80.55,165.6 84.15,165.6 85.05,165.6 85.95,165.6 86.85,165.6 87.75,165.6 93.15,165.6 94.05,165.6 94.95,165.6 95.85,165.6 101.25,165.6 102.15,165.6 103.05,165.6 103.95,165.6 106.65,165.6 109.35,165.6 110.25,165.6 112.95,165.6 113.85,165.6 114.75,165.6 115.65,165.6 117.45,165.6 118.35,165.6 85.5,166.5 86.4,166.5 87.3,166.5 94.5,166.5 95.4,166.5 101.7,166.5 102.6,166.5 103.5,166.5 107.1,166.5 108.9,166.5 109.8,166.5 110.7,166.5 113.4,166.5 114.3,166.5 115.2,166.5 117.9,166.5 82.35,167.4 85.95,167.4 86.85,167.4 87.75,167.4 88.65,167.4 89.55,167.4 90.45,167.4 91.35,167.4 94.95,167.4 95.85,167.4 101.25,167.4 102.15,167.4 103.05,167.4 106.65,167.4 109.35,167.4 110.25,167.4 112.95,167.4 113.85,167.4 114.75,167.4 115.65,167.4 117.45,167.4 118.35,167.4 87.3,168.3 88.2,168.3 89.1,168.3 90,168.3 90.9,168.3 91.8,168.3 96.3,168.3 100.8,168.3 101.7,168.3 102.6,168.3 103.5,168.3 107.1,168.3 108.9,168.3 109.8,168.3 110.7,168.3 113.4,168.3 114.3,168.3 115.2,168.3 117.9,168.3 84.15,169.2 87.75,169.2 88.65,169.2 89.55,169.2 90.45,169.2 91.35,169.2 92.25,169.2 93.15,169.2 109.35,169.2 110.25,169.2 89.1,170.1 90,170.1 90.9,170.1 91.8,170.1 92.7,170.1 93.6,170.1 108.9,170.1 109.8,170.1 110.7,170.1 85.95,171 89.55,171 90.45,171 91.35,171 92.25,171 93.15,171 94.05,171 94.95,171 104.85,171 105.75,171 106.65,171 109.35,171 110.25,171 90.9,171.9 91.8,171.9 92.7,171.9 93.6,171.9 94.5,171.9 95.4,171.9 96.3,171.9 97.2,171.9 98.1,171.9 99,171.9 103.5,171.9 104.4,171.9 105.3,171.9 106.2,171.9 107.1,171.9 109.8,171.9 117.9,171.9 87.75,172.8 91.35,172.8 92.25,172.8 95.85,172.8 96.75,172.8 97.65,172.8 98.55,172.8 103.95,172.8 110.25,172.8 96.3,173.7 97.2,173.7 98.1,173.7 104.4,173.7 109.8,173.7 117.9,173.7 89.55,174.6 93.15,174.6 103.95,174.6 110.25,174.6 111.15,174.6 112.05,174.6 112.95,174.6 113.85,174.6 114.75,174.6 115.65,174.6 116.55,174.6 117.45,174.6 118.35,174.6 97.2,175.5 103.5,175.5 104.4,175.5 109.8,175.5 110.7,175.5 111.6,175.5 112.5,175.5 113.4,175.5 114.3,175.5 115.2,175.5 116.1,175.5 117,175.5 117.9,175.5 91.35,176.4 101.25,176.4 102.15,176.4 103.05,176.4 103.95,176.4 104.85,176.4 107.55,176.4 110.25,176.4 111.15,176.4 112.05,176.4 112.95,176.4 113.85,176.4 114.75,176.4 115.65,176.4 116.55,176.4 117.45,176.4 118.35,176.4 94.5,177.3 93.15,178.2 94.05,178.2 94.95,178.2 92.7,179.1 93.6,179.1 93.15,180 97.65,180 98.55,180 99.45,180 93.6,180.9 96.3,180.9 97.2,180.9 98.1,180.9 99,180.9 96.75,181.8 97.65,181.8 98.55,181.8 99.45,181.8 103.05,181.8 103.95,181.8 104.85,181.8 105.75,181.8 106.65,181.8 96.3,182.7 97.2,182.7 98.1,182.7 102.6,182.7 103.5,182.7 104.4,182.7 105.3,182.7 106.2,182.7 107.1,182.7 96.75,183.6 97.65,183.6 102.15,183.6 103.05,183.6 103.95,183.6 104.85,183.6 105.75,183.6 106.65,183.6
  other v3: 110.825,115.075 110.85,115.95 110.85,116.825 110.85,117.75
GND-M: C3.2 C5.2 C6.2 C7.2 C8.2 C9.2 C10.1 C21.2 C22.1 C30.2 C31.2 C32.2 C33.2 pad.37@141.567,173.807 pad.40 pad.41 pad.42 Q1.5 Q2.5 Q3.2 Q6.1 Q6.2 Q6.3 Q7.1 Q7.2 Q7.3 Q8.1 Q8.2 Q8.3 Q9.1 Q9.2 Q9.3 Q10.5 Q11.5 Q12.2 Q15.5 Q16.5 Q17.5 Q18.5 R6.2 U2.1 U3.18 U3.19 U3.20 U3.26 U3.27 U3.28 U9.18 U9.19 U9.20 U9.26 U9.27 U9.28 | length 377.2
  Top Layer w0.68: C30.2@109.96,65.682 Q15.5@109.96,68.382 109.96,68.874 111.486,70.4 123.46,70.4 ; C32.2@119.11,184 Q17.5@119.11,181.3 119.16,181.25 120.25,181.25 v2(120.3,181.2) ; v2(123.35,95.69) C3.2@126,95.69 ; v2(123.35,115.99) C10.1@126,115.99 ; v2(123.35,126.09) 123.842,126.09 124.252,126.5 C21.2@126,126.5 ; v2(123.35,146.29) C22.1@126,146.29 126.135,146.155 127.845,146.155 128.739,145.261 128.739,144.661 v2(128.8,144.6) ; v2(123.35,155.764) 125.064,155.764 136,166.7 136,178.963 133.85,181.113 v2(133.85,181.2) 133.8,181.25 132.66,181.25 Q18.5@132.61,181.3 C33.2@132.61,184 ; C31.2@123.46,65.682 Q16.5@123.46,68.382 123.46,70.4 ; v2(133.7,70.4) 123.46,70.4 ; v2(140.7,136.6) 140.7,136.5 142.9,134.3 C9.2@142.9,132.999 ; C9.2@142.9,132.999 C7.2@142.9,128.8 144.7,128.8 148.35,125.15 U2.1@149.45,125.15 149.45,126.356 150.894,127.8 154.9,127.8 156.565,126.135 156.565,125.435 C5.2@156.6,125.4 ; Q3.2@151.398,111.346 151.337,111.406 151.337,115.537 R6.2@151.4,115.6 153.1,115.6 153.9,116.4 153.9,119.8 156.565,122.465 156.565,122.665 156.8,122.9 C6.2@157,122.9 C5.2@157,125.4 ; pad.42@159.2,124.4 pad.42@159.3,124.5
  Top Layer w1: C5.2@157,125.4 157.075,125.325 158.204,125.325 159.129,124.4 pad.42@159.2,124.4
  Top Layer w2.75: U3.19@150.676,89.793 153.681,86.788 ; U9.27@150.676,159.889 153.681,162.894 ; U3.27@156.333,95.45 159.338,92.445 ; U9.19@156.333,154.232 159.338,157.237
  Top Layer w5: pad.37@141.567,173.807 142.768,173.807 144.138,172.438 153.681,162.894 159.338,157.237 162.5,154.075 162.5,95.607 159.338,92.445 153.681,86.788
  Bottom Layer w0.68: v2(120.3,181.2) v2(133.85,181.2) v2@133.9,181.2 ; v2(123.35,155.764) v2(123.35,146.29) v2(123.35,115.99) v2(123.35,95.69) 123.35,90.15 133.7,79.8 v2(133.7,70.4) ; Q12.2@125.302,139.946 125.348,139.992 125.348,140.078 124.795,140.632 124.795,141.195 128.2,144.6 v2(128.8,144.6) 132.6,144.6 140.6,136.6 v2(140.7,136.6)
MotorVCC: C5.1 C6.1 pad.37@141.567,75.875 pad.38 pad.39 pad.43 Q5.1 Q5.2 Q5.3 Q13.1 Q13.2 Q13.3 R21.2 R22.2 R23.2 R24.2 U2.3 U3.12 U9.12 | length 139.8
  Top Layer w0.68: Q5.1@136.083,89.886 135.804,90.165 135.783,90.165 134.875,89.258 134.312,89.258 130.5,93.07 130.5,97.682 136.244,103.426 137.043,103.426 U3.12@137.948,102.521 ; U9.12@143.605,141.504 142.7,140.599 142.7,139.8 148.4,134.1 153.1,134.1 156.868,137.868 156.868,138.431 155.961,139.339 155.961,139.36 Q13.1@156.24,139.639 ; U2.3@149.45,123.25 149.49,123.29 150.124,123.29 150.54,123.706 150.54,125.84 151.5,126.8 153.2,126.8 v4(153.4,126.6) 154.365,125.635 154.365,125.435 C5.1@154.4,125.4 ; C6.1@154.8,122.9 C5.1@154.8,125.4
  Bottom Layer w1.5: 153,127 v4(153.4,126.6)
  Bottom Layer w2: 149.243,125.957 149.243,125.251 158.05,116.444 R22.2@158.05,111.3 R21.2@158.05,108.6
  Bottom Layer w5: 131.16,88.26 127.7,91.72 127.7,110.1 127.7,110.9 141.7,124.9 148.186,124.9 149.243,125.957 149.6,126.315 ; 135.8,83.6 141.567,77.833 pad.37@141.567,75.875
  other v2: 138.342,88.181 137.458,88.712 139.049,88.889 138.165,89.419 136.928,89.596 139.756,89.596 136.044,90.126 138.872,90.126 137.635,90.303 136.751,90.833 138.342,91.01 137.458,91.54 155.95,139.7 155.243,140.407 156.48,140.584 154.536,141.114 155.773,141.291 156.657,141.821 155.066,141.998 155.95,142.528 157.187,142.705 156.48,143.412
NetC2_1: C2.1 U2.6 | length 7
  Top Layer w0.68: C2.1@151.225,120.025 153.355,122.155 153.355,124.752 152.957,125.15 U2.6@152.15,125.15
NetC2_2: C2.2 L1.1 U2.2 | length 8.5
  Top Layer w0.68: L1.1@145.6,123.6 148,123.6 ; C2.2@149.45,119.9 149.45,119.926 148,121.376 148,123.802 148.398,124.2 U2.2@149.45,124.2
NetC4_2: C4.2 R5.2 R6.1 U2.4 | length 14.3
  Top Layer w0.68: C4.2@144.201,117.7 144.501,117.4 R5.2@149.66,117.4 ; R5.2@149.5,117.4 v3@150.468,117.4 ; v3(150.462,117.406) v3@150.468,117.4 ; v3(150.462,121.562) 150.462,121.999 151.712,123.25 U2.4@152.15,123.25 ; R6.1@151.4,117.4 v3@150.468,117.4
  Bottom Layer w0.68: v3(150.462,117.406) v3(150.462,121.562)
NetC25_1: C25.1 U10.6 | length 2.3
  Bottom Layer w0.5: C25.1@79.501,110.1 79.95,110.549 U10.6@79.95,112.25
NetC25_2: C25.2 L2.1 U10.2 | length 11.3
  Top Layer w2: 77.162,113.2 77.162,115.948 78.346,117.131 78.346,118.8
  Bottom Layer w0.5: C25.2@77.699,110.1 78.202,110.602 78.202,111.32 78.6,111.718 78.6,112.698 78.146,113.152 77.773,113.152 v3(77.725,113.2)
  Bottom Layer w0.8: v3(76.6,113.2) U10.2@77.25,113.2 v3(77.725,113.2)
  other v3: 77.791,118.8 78.9,118.8
NetC26_2: C26.2 R54.2 R55.1 U10.4 | length 5.9
  Bottom Layer w0.5: U10.4@79.95,114.15 81.45,114.15 C26.2@81.9,113.7 R55.1@81.9,111.7 R54.2@83.7,111.7
NetC27_1: C27.1 C28.1 D1.1 R83.1 R84.1 U10.3 | length 19.5
  Bottom Layer w1: R83.1@77.4,130.3 R84.1@79.4,130.3
  Bottom Layer w2: 77.234,114.825 75.4,116.659 C28.1@75.4,117.1 C27.1@75.4,119.4 75.4,121.235 D1.1@79.665,125.5 ; 78.45,129.812 78.45,127.915 79.805,126.56 D1.1@79.805,126.1
NetC36_1: C36.1 R74.1 Y1.1 | length 4.3
  Top Layer w0.254: C36.1@88,134.7 Y1.1@88,132.75 88.35,132.4 R74.1@90.2,132.4
NetC37_1: C37.1 R75.1 Y1.2 | length 4.2
  Top Layer w0.254: C37.1@88,128.4 Y1.2@88,130.25 88.35,130.6 R75.1@90.2,130.6
NetC38_1: C38.1 R76.1 X1.2 | length 7.3
  Top Layer w0.254: v3(88.459,126.191) R76.1@90.141,126.191 90.073,126.259 C38.1@90.073,128.383
  Bottom Layer w0.254: v3(88.459,126.191) X1.2@88.459,129.591
NetC39_1: C39.1 R77.1 X1.1 | length 7.3
  Top Layer w0.254: v3(88.459,124.491) R77.1@90.141,124.491 90.141,122.343 C39.1@90.098,122.3
  Bottom Layer w0.254: X1.1@88.459,121.091 v3(88.459,124.491)
NetD1_2: D1.2 J5.1 R60.2 R71.2 | length 14.6
  Bottom Layer w1: R60.2@71.475,135.4 R71.2@73.175,135.4
  Bottom Layer w2: J5.1@71.259,124.841 71.259,127.044 72.325,128.11 ; 72.325,134.874 72.325,128.11 ; D1.2@73.395,126.1 73.395,126.56 72.325,127.63 72.325,128.11
NetJ1_3: J1.3 J2.3 | length 2.5
  Top Layer w0.5: J1.3@87.721,174.569 J2.3@89.517,172.773
NetJ1_4: J1.4 J2.4 | length 2.5
  Top Layer w0.5: J1.4@85.925,172.773 J2.4@87.721,170.977
NetJ1_5: J1.5 J2.5 | length 2.5
  Top Layer w0.5: J1.5@84.129,170.977 J2.5@85.925,169.181
NetJ1_6: J1.6 J2.6 | length 2.5
  Top Layer w0.5: J1.6@82.333,169.181 J2.6@84.129,167.385
NetJ1_7: J1.7 J2.7 | length 2.7
  Top Layer w0.5: J1.7@80.537,167.385 80.715,167.385 80.9,167.2 80.88,167.18 80.88,167.042 J2.7@82.333,165.589
NetJ3_12: J3.12 J4.12 | length 2.5
  Top Layer w0.254: J4.12@87.721,75.112 J3.12@89.517,76.909
NetJ3_13: J3.13 J4.13 | length 2.7
  Top Layer w0.5: J4.13@89.517,73.316 89.517,73.617 89.6,73.7 89.641,73.659 89.86,73.659 J3.13@91.313,75.112
NetJ3_14: J3.14 J4.14 | length 2.5
  Top Layer w0.5: J4.14@91.313,71.52 J3.14@93.109,73.316
NetLED1_2: LED1.2 R85.1 | length 1.7
  Top Layer w0.5: LED1.2@82.035,124.275 R85.1@82.035,126
NetLED2_2: LED2.2 R30.1 | length 1.7
  Top Layer w0.254: LED2.2@84.074,124.275 84.1,124.301 R30.1@84.1,126
NetP3_1: P3.1 R21.1 | length 3.8
  Top Layer w1.5: R21.1@172.75,108.6 173.839,107.511 175.45,107.511 P3.1@175.9,107.061
NetP3_2: P3.2 Q6.5 Q6.6 Q6.7 Q6.8 | length 5.2
  Top Layer w1.5: 171.5,114.172 172.075,113.597 174.2,113.597 175.656,112.141 P3.2@175.9,112.141
NetP3_3: P3.3 R22.1 | length 14.2
  Top Layer w1.5: R22.1@172.75,111.3 174.25,109.8 177.5,109.8 178.4,110.7 178.4,114.721 P3.3@175.9,117.221
NetP3_4: P3.4 Q7.5 Q7.6 Q7.7 Q7.8 | length 3.5
  Top Layer w1.5: Q7.7@172.45,122.44 172.589,122.301 P3.4@175.9,122.301
NetP3_5: P3.5 Q9.5 Q9.6 Q9.7 Q9.8 | length 3.5
  Top Layer w1.5: Q9.6@172.45,127.52 172.589,127.381 P3.5@175.9,127.381
NetP3_6: P3.6 R24.1 | length 14.2
  Top Layer w1.5: R24.1@172.75,138.382 174.25,139.882 177.5,139.882 178.4,138.982 178.4,134.961 P3.6@175.9,132.461
NetP3_7: P3.7 Q8.5 Q8.6 Q8.7 Q8.8 | length 5.2
  Top Layer w1.5: 171.5,135.51 172.075,136.085 174.2,136.085 175.656,137.541 P3.7@175.9,137.541
NetP3_8: P3.8 R23.1 | length 3.8
  Top Layer w1.5: R23.1@172.75,141.082 173.839,142.171 175.45,142.171 P3.8@175.9,142.621
NetP4_1: P4.1 R31.1 | length 2.3
  Bottom Layer w0.5: P4.1@64.4,110.827 R31.1@66.7,110.827
NetP4_2: P4.2 R34.2 | length 2.3
  Bottom Layer w0.5: P4.2@64.4,108.287 R34.2@66.7,108.287
NetP5_1: P5.1 R32.1 | length 2.3
  Bottom Layer w0.5: P5.1@64.4,116.722 R32.1@66.7,116.722
NetP5_2: P5.2 R35.2 | length 2.3
  Bottom Layer w0.5: P5.2@64.4,114.182 R35.2@66.7,114.182
NetP6_1: P6.1 R33.1 | length 2.3
  Bottom Layer w0.5: P6.1@64.4,135.5 R33.1@66.7,135.5
NetP6_2: P6.2 R36.2 | length 2.3
  Bottom Layer w0.5: P6.2@64.4,132.96 R36.2@66.7,132.96
NetP7_1: P7.1 R69.1 | length 2.3
  Bottom Layer w0.5: P7.1@64.4,141.395 R69.1@66.7,141.395
NetP7_2: P7.2 R70.2 | length 2.3
  Bottom Layer w0.5: P7.2@64.4,138.855 R70.2@66.7,138.855
NetP8_1: P8.1 R60.1 R71.1 | length 9.1
  Bottom Layer w1: R60.1@71.475,137.2 R71.1@73.175,137.2
  Bottom Layer w2: 72.319,137.7 P8.1@72.319,145.123
NetP9_1: P9.1 R72.2 R73.2 | length 8.6
  Bottom Layer w1: R72.2@71.2,111.8 71.375,111.8 R73.2@73,111.8
  Bottom Layer w2: 72.05,111.249 72.05,104.828 P9.1@72.319,104.559
NetQ1_2: Q1.2 R3.2 | length 2.7
  Top Layer w0.5: R3.2@111.8,100.8 111.815,100.785 114.435,100.785 Q1.2@114.45,100.77
NetQ2_2: Q2.2 R8.2 | length 2.7
  Top Layer w0.5: R8.2@111.8,121.1 111.815,121.085 114.435,121.085 Q2.2@114.45,121.07